# Altium PCB 190929 PCB (REV0).PcbDoc (part 2 of 2)
Units mm, origin at the board's own origin, x right, y up, seen from the top; angles counter-clockwise.
Board outline 152.5 x 105 mm, 4 copper layers (Top Copper, Signal Layer 1 (GND), Signal Layer 2 (PWR), Bottom Copper), stack 1.464 mm thick; 164 components, 136 nets, 624 pads, 357 vias.
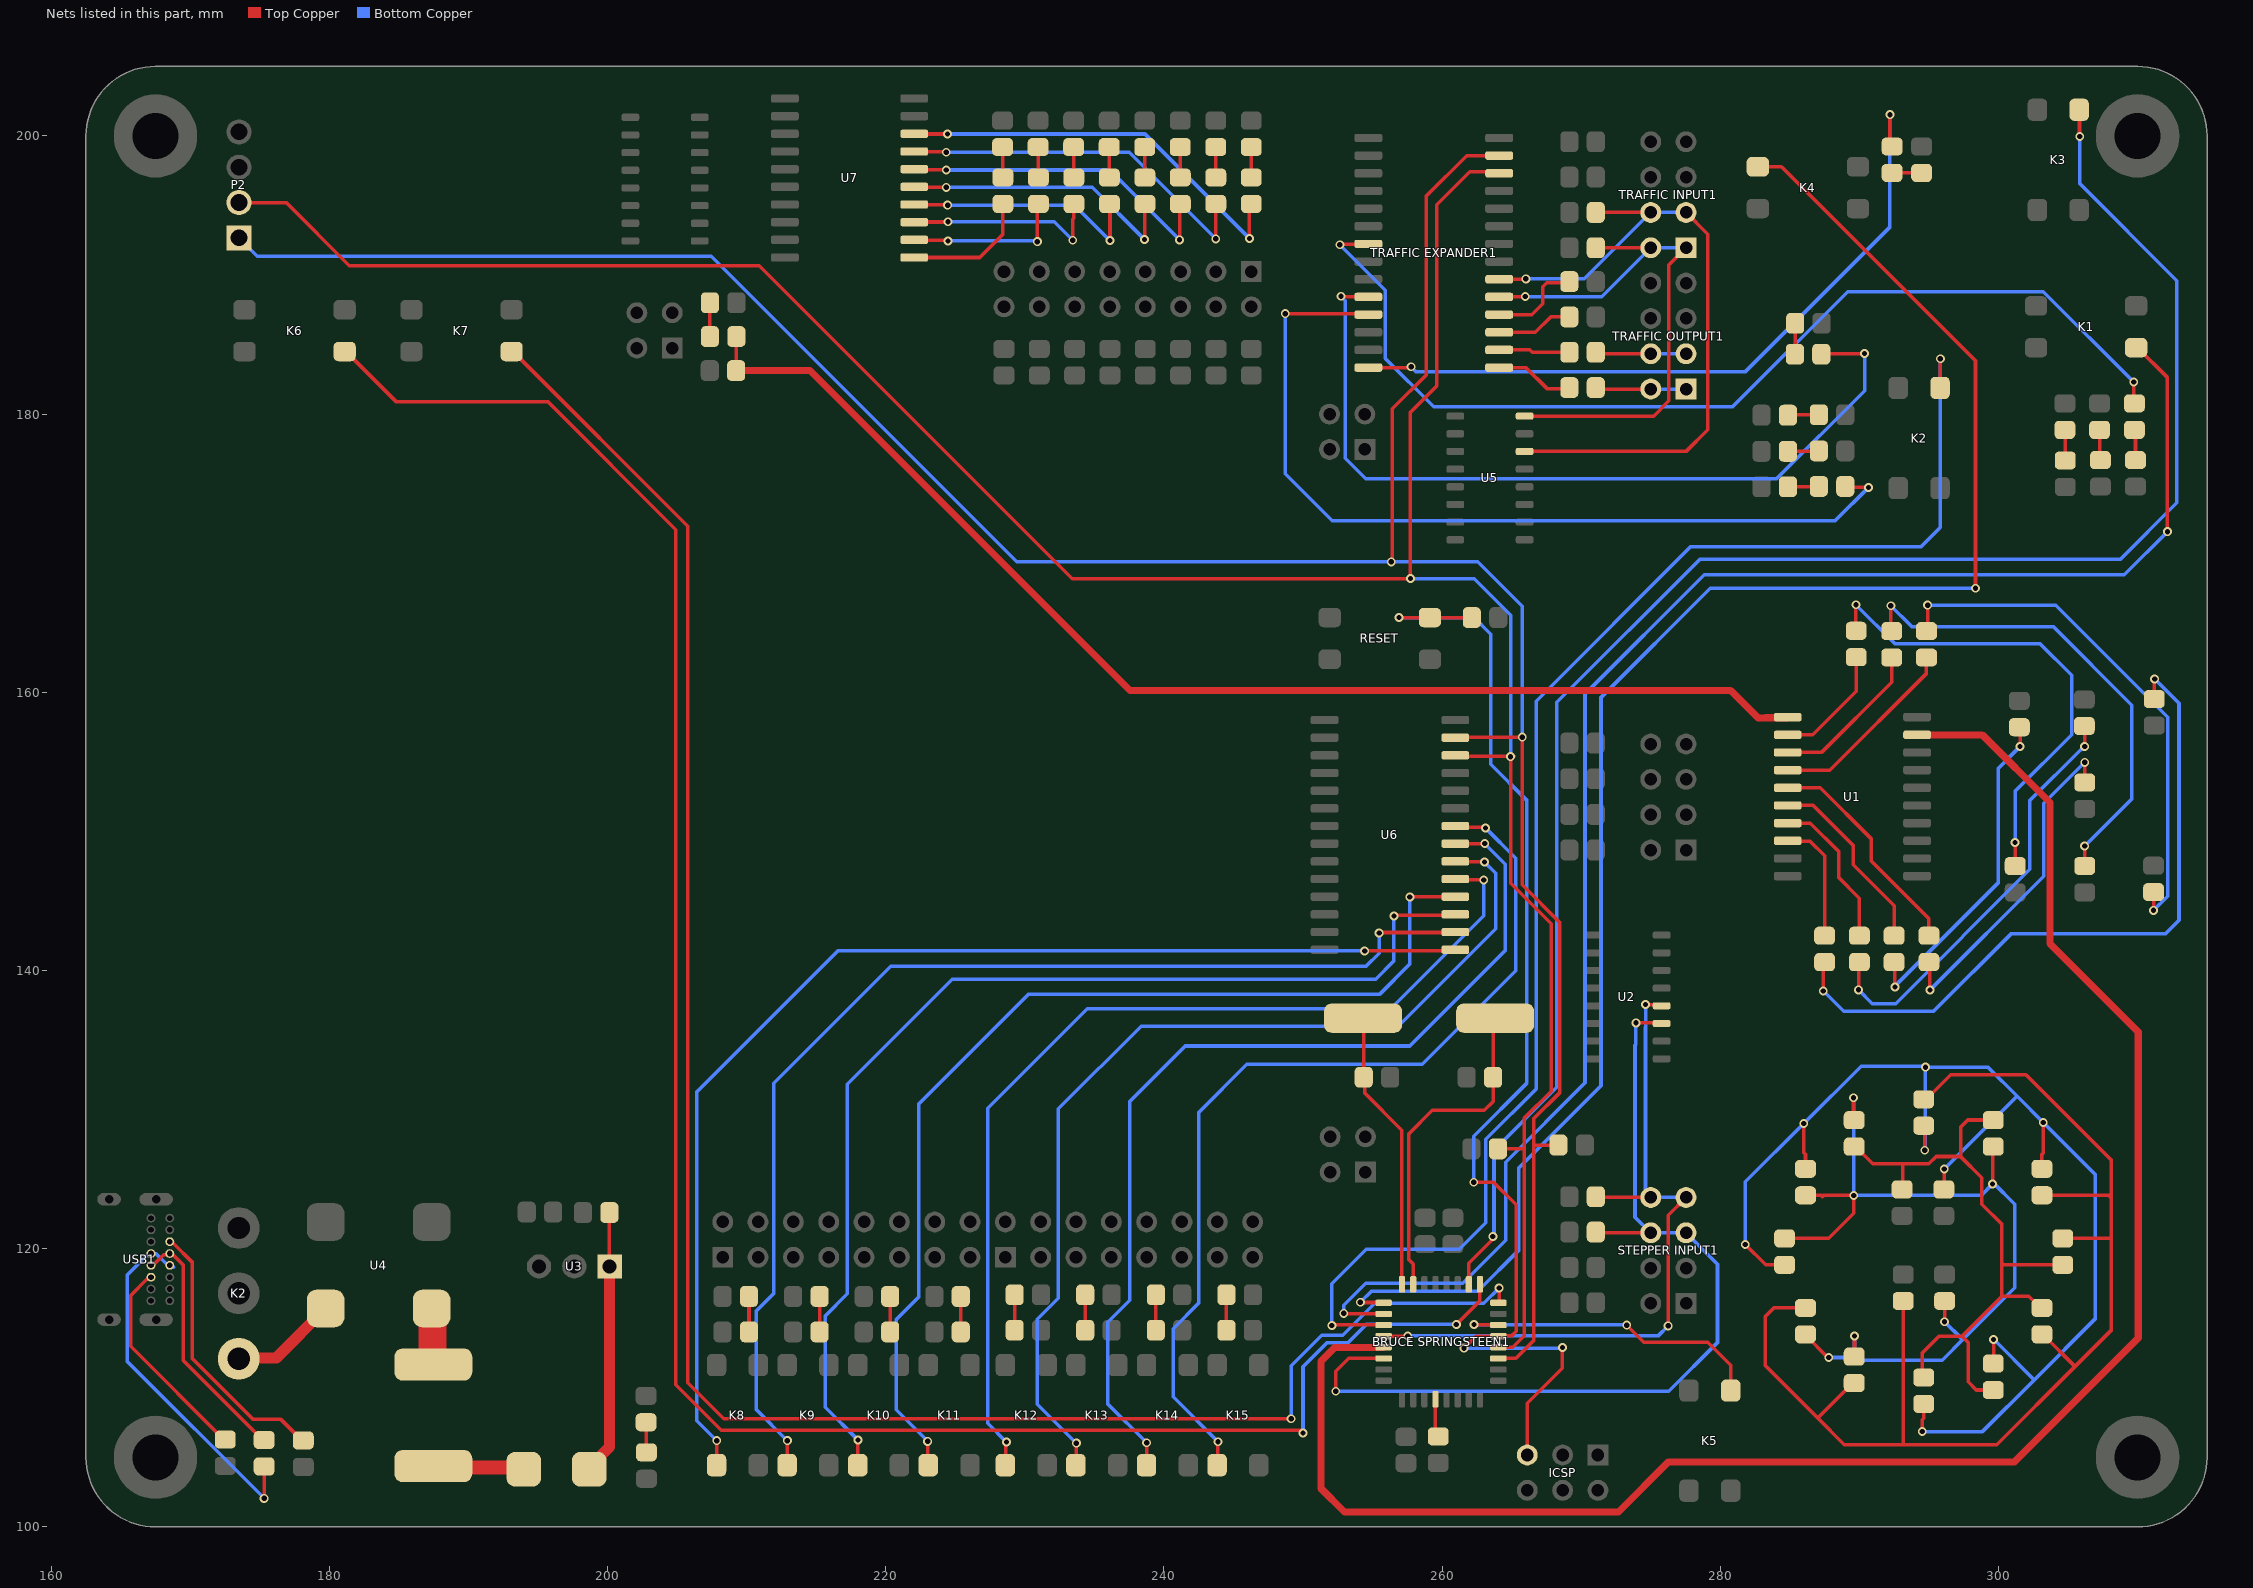
[diagram p4: the nets of this part, all layers, seen from the top]

## Via types
v1: diameter 0.635, hole 0.381, Top Copper to Bottom Copper, 357 vias

## Nets (pads, with @x,y where several pads share a name; then routed paths per layer and width w, separated by ;. In a path a pad name is that pad's centre, name@x,y a point inside that pad or via, vN(x,y) a via of type N, cw(c..) or ccw(c..) an arc to the next point about the centre after c; other vN are vias at no path point) (continued)
NetACTIVE1_K: ACTIVE.K R21.2 | length 2.2
  Top Copper w0.254: ACTIVE.K@202.768,107.519 202.768,105.384 R21.2@202.794,105.357
"NetBRUCE SPRINGSTEEN1_1": "BRUCE SPRINGSTEEN1.1" K6.2 | length 157.7
  Top Copper w0.254: K6.2@181.1,184.5 181.2,184.5 184.825,180.875 195.725,180.875 204.902,171.698 204.902,110.211 208.166,106.947 249.803,106.947 v1(250,106.75) ; v1(261.025,114.55) 262.723,116.248 262.723,117.434
  Bottom Copper w0.254: v1(250,106.75) 250,111.5 251.75,113.25 253.25,113.25 254.55,114.55 v1(261.025,114.55)
"NetBRUCE SPRINGSTEEN1_2": "BRUCE SPRINGSTEEN1.2" K3.2 | length 126.1
  Top Copper w0.254: 261.923,117.434 261.923,118.948 263.65,120.675 v1(263.65,120.875) ; K3.2@305.8,201.879 305.825,201.854 305.825,199.979 v1(305.85,199.954)
  Bottom Copper w0.254: v1(263.65,120.875) 263.731,120.956 263.731,127.082 268.25,131.6 268.25,159.275 278.525,169.55 308.75,169.55 312.825,173.625 312.825,189.6 305.85,196.575 v1(305.85,199.954)
"NetBRUCE SPRINGSTEEN1_9": "BRUCE SPRINGSTEEN1.9" K4.2 | length 124.8
  Top Copper w0.254: v1(254.125,116.15) 254.146,116.129 255.777,116.129 255.798,116.109 ; K4.2@282.7,197.779 284.4,197.779 298.35,183.829 v1(298.35,167.475)
  Bottom Copper w0.254: v1(254.125,116.15) 254.925,116.95 262.575,116.95 265.525,119.9 265.525,125.825 271.424,131.724 271.424,159.624 279.275,167.475 v1(298.35,167.475)
"NetBRUCE SPRINGSTEEN1_10": "BRUCE SPRINGSTEEN1.10" K1.2 | length 119.6
  Top Copper w0.254: v1(252.925,115.35) 252.946,115.329 255.777,115.329 255.798,115.309 ; K1.2@309.9,184.779 310,184.779 312.15,182.629 v1(312.15,171.55)
  Bottom Copper w0.254: v1(252.925,115.35) 252.925,115.938 254.512,117.525 261.488,117.525 264.575,120.612 264.575,126.225 270.275,131.925 270.275,159.875 278.85,168.45 309.05,168.45 v1(312.15,171.55)
"NetBRUCE SPRINGSTEEN1_11": "BRUCE SPRINGSTEEN1.11" K2.2 | length 107.1
  Top Copper w0.254: v1(252.075,114.475) 252.117,114.517 255.79,114.517 255.798,114.509 ; K2.2@295.8,181.879 295.812,181.892 295.812,183.967 v1(295.825,183.979)
  Bottom Copper w0.254: v1(252.075,114.475) 252.075,117.475 254.55,119.95 261.225,119.95 263.142,121.867 263.142,127.862 266.763,131.483 266.763,159.363 277.85,170.45 294.425,170.45 295.825,171.85 v1(295.825,183.979)
"NetBRUCE SPRINGSTEEN1_13": "BRUCE SPRINGSTEEN1.13" U1.9 | length 131.4
  Top Copper w0.508: 255.798,112.909 252.309,112.909 251.28,111.88 251.28,102.77 252.975,101.075 272.675,101.075 276.275,104.675 301.15,104.675 310.05,113.575 310.05,135.575 303.7,141.925 303.7,152.075 298.83,156.945 U1.9@294.15,156.945
"NetBRUCE SPRINGSTEEN1_20": "BRUCE SPRINGSTEEN1.20" C6.2 | length 2.8
  Top Copper w0.254: 259.523,109.184 259.523,106.702 C6.2@259.725,106.5
"NetBRUCE SPRINGSTEEN1_30": "BRUCE SPRINGSTEEN1.30" K5.2 | length 23.3
  Top Copper w0.254: v1(262.3,114.55) 262.321,114.529 264.027,114.529 264.048,114.509 ; v1(273.275,114.5) 274.5,113.275 279.1,113.275 280.75,111.625 K5.2@280.75,109.8
  Bottom Copper w0.254: v1(262.3,114.55) 262.325,114.525 273.25,114.525 v1(273.275,114.5)
"NetBRUCE SPRINGSTEEN1_32": "BRUCE SPRINGSTEEN1.32" K7.2 | length 146.2
  Top Copper w0.254: K7.2@193.1,184.5 193.2,184.5 205.765,171.935 205.765,110.363 208.356,107.772 v1(249.149,107.772) ; 264.048,116.109 264.1,116.057 v1(264.1,117.175)
  Bottom Copper w0.254: v1(249.149,107.772) 249.149,111.574 251.35,113.775 252.85,113.775 255.15,116.075 263,116.075 v1(264.1,117.175)
NetC7_2: C7.2 D8.K U3.1 | length 19.1
  Top Copper w0.254: C7.2@200.131,122.596 200.131,118.741 U3.1@200.152,118.72
  Top Copper w0.8: D8.K@198.684,104.14 198.684,104.262 200.152,105.73 U3.1@200.152,118.72
NetD1_K: D1.K R7.1 | length 34.9
  Top Copper w0.254: v1(289.751,166.294) 289.751,164.445 R7.1@289.773,164.424 ; v1(301.193,149.2) 301.193,147.521 D1.K@301.201,147.513
  Bottom Copper w0.254: v1(289.751,166.294) 292.571,163.474 303.001,163.474 305.257,161.218 305.257,156.947 301.193,152.883 v1(301.193,149.2)
NetD2_K: D2.K R8.1 | length 35.1
  Top Copper w0.254: v1(292.266,166.218) 292.266,164.459 R8.1@292.325,164.4 ; v1(306.197,148.946) 306.197,147.517 D2.K@306.201,147.513
  Bottom Copper w0.254: v1(292.266,166.218) 293.759,164.725 303.93,164.725 309.575,159.08 309.575,152.324 v1(306.197,148.946)
NetD3_K: D3.K R9.1 | length 38.1
  Top Copper w0.254: R9.1@294.825,164.4 294.908,164.483 v1(294.908,166.268) ; D3.K@311.149,145.637 D3.K@311.149,145.637 v1(311.15,144.323)
  Bottom Copper w0.254: v1(294.908,166.268) 304.107,166.268 312.175,158.2 312.175,145.348 v1(311.15,144.323)
NetD4_K: D4.K R10.1 | length 24.4
  Top Copper w0.254: R10.1@295,140.6 295.075,140.525 v1(295.075,138.6) ; D4.K@306.201,153.513 v1(306.201,154.961)
  Bottom Copper w0.254: v1(295.075,138.6) 303.25,146.775 303.25,152.01 v1(306.201,154.961)
NetD5_K: D5.K R11.1 | length 24.2
  Top Copper w0.254: R11.1@292.5,140.6 292.557,140.543 v1(292.557,138.811) ; D5.K@301.501,157.488 301.55,157.439 v1(301.55,156.1)
  Bottom Copper w0.254: v1(292.557,138.811) 292.557,138.882 299.999,146.324 299.999,154.549 v1(301.55,156.1)
NetD6_K: D6.K R12.1 | length 30.7
  Top Copper w0.254: v1(289.941,138.608) 289.941,140.541 R12.1@290,140.6 ; D6.K@306.175,157.575 306.197,157.553 v1(306.197,156.108)
  Bottom Copper w0.254: v1(289.941,138.608) 290.932,137.617 292.608,137.617 302.26,147.269 302.26,152.223 305.911,155.874 305.962,155.874 v1(306.197,156.108)
NetD7_K: D7.K R13.1 | length 50.5
  Top Copper w0.254: v1(287.401,138.532) 287.401,140.501 R13.1@287.5,140.6 ; D7.K@311.201,159.513 311.201,160.935 v1(311.226,160.96)
  Bottom Copper w0.254: v1(287.401,138.532) 288.874,137.058 295.333,137.058 300.9,142.625 311.992,142.625 312.979,143.612 312.979,159.207 v1(311.226,160.96)
NetD8_A: D8.A F1.2 | length 6.6
  Top Copper w1: F1.2@187.477,104.369 187.592,104.254 193.87,104.254 D8.A@193.984,104.14
NetD9_K: D9.K R27.2 | length 2.2
  Top Copper w0.254: D9.K@309.774,178.866 309.851,178.789 R27.2@309.851,176.692
NetD10_K: D10.K R28.2 | length 2.2
  Top Copper w0.254: D10.K@307.274,178.866 307.274,176.745 R28.2@307.326,176.692
NetD11_K: D11.K R29.2 | length 2.2
  Top Copper w0.254: D11.K@304.774,178.866 304.801,178.839 R29.2@304.801,176.667
NetD12_K: D12.K R30.2 | length 2.2
  Top Copper w0.254: D12.K@285.362,184.305 285.375,184.318 285.375,186.518 R30.2@285.387,186.53
NetD13_K: D13.K R31.2 | length 2.2
  Top Copper w0.254: R31.2@284.863,174.774 287.056,174.774 D13.K@287.087,174.805
NetD14_K: D14.K R32.2 | length 2.2
  Top Copper w0.254: R32.2@284.863,177.324 287.056,177.324 D14.K@287.087,177.355
NetD15_K: D15.K R33.2 | length 2.2
  Top Copper w0.254: R33.2@284.863,179.924 284.894,179.955 D15.K@287.087,179.955
NetD16_K: D16.K R34.2 | length 2.1
  Top Copper w0.254: D16.K@292.349,197.341 R34.2@294.474,197.341
NetD17_K: D17.K R39.2 | length 2.5
  Top Copper w0.254: R39.2@244.492,114.133 D17.K@244.492,116.683
NetD18_K: D18.K R40.2 | length 2.5
  Top Copper w0.254: R40.2@239.418,114.133 D18.K@239.418,116.683
NetD19_K: D19.K R41.2 | length 2.5
  Top Copper w0.254: R41.2@234.344,114.133 D19.K@234.344,116.683
NetD20_K: D20.K R42.2 | length 2.5
  Top Copper w0.254: R42.2@229.269,114.133 D20.K@229.269,116.683
NetD21_K: D21.K R43.2 | length 2.5
  Top Copper w0.254: R43.2@225.394,114.014 D21.K@225.394,116.564
NetD22_K: D22.K R44.2 | length 2.5
  Top Copper w0.254: R44.2@220.32,114.014 D22.K@220.32,116.564
NetD23_K: D23.K R45.2 | length 2.5
  Top Copper w0.254: R45.2@215.245,114.014 D23.K@215.245,116.564
NetD24_K: D24.K R46.2 | length 2.5
  Top Copper w0.254: R46.2@210.171,114.014 D24.K@210.171,116.564
NetD25_K: D25.K R55.1 | length 2.2
  Top Copper w0.254: D25.K@228.402,199.201 228.402,197.038 R55.1@228.427,197.013
NetD26_K: D26.K R56.1 | length 2.2
  Top Copper w0.254: D26.K@230.956,199.201 230.956,197.034 R56.1@230.978,197.013
NetD27_K: D27.K R57.1 | length 2.2
  Top Copper w0.254: D27.K@233.511,199.201 233.511,197.031 R57.1@233.529,197.013
NetD28_K: D28.K R58.1 | length 2.2
  Top Copper w0.254: D28.K@236.065,199.201 236.065,197.027 R58.1@236.08,197.013
NetD29_K: D29.K R59.1 | length 2.2
  Top Copper w0.254: D29.K@238.62,199.201 238.631,199.19 R59.1@238.631,197.013
NetD30_K: D30.K R60.1 | length 2.2
  Top Copper w0.254: D30.K@241.174,199.201 241.174,197.02 R60.1@241.181,197.013
NetD31_K: D31.K R61.1 | length 2.2
  Top Copper w0.254: D31.K@243.729,199.201 243.729,197.016 R61.1@243.732,197.013
NetD32_K: D32.K R62.1 | length 2.2
  Top Copper w0.254: R62.1@246.283,197.013 D32.K@246.283,199.201
NetD33_A: D33.A D34.K D37.K D39.A D41.K D42.A R64.1 | length 97.2
  Top Copper w0.254: v1(281.8,120.3) 283.262,118.838 D42.A@284.626,118.838 ; v1(286,129) 286,126.895 286.126,126.769 D41.K@286.126,125.738 ; v1(294.525,106.85) 294.525,107.706 294.626,107.807 D33.A@294.626,108.838 ; D39.A@294.626,128.838 294.7,128.764 v1(294.7,127.075) ; R64.1@296.074,124.262 296.1,124.288 v1(296.1,125.725) ; D34.K@299.626,111.738 299.65,111.762 v1(299.65,113.475) ; D37.K@303.126,125.738 303.126,126.769 303.225,126.868 v1(303.225,129.075)
  Bottom Copper w0.254: v1(281.8,120.3) 281.8,124.8 v1(286,129) 290.125,133.125 294.675,133.125 v1(294.75,133.05) ; v1(294.525,106.85) 298.85,106.85 302.55,110.55 ; v1(294.7,127.075) 294.725,127.1 294.725,133.025 v1(294.75,133.05) ; v1(296.1,125.725) 301.3,130.925 301.375,130.925 ; v1(299.65,113.475) 302.55,110.575 302.55,110.55 ; v1(294.75,133.05) 299.25,133.05 301.375,130.925 ; 301.375,130.925 v1(303.225,129.075) 306.975,125.325 306.975,114.975 302.55,110.55
NetD33_K: D33.K D34.A D35.K D36.A D38.K D40.A R63.1 | length 48.6
  Top Copper w0.254: D40.A@289.626,127.338 289.726,127.338 290.964,126.1 293.12,126.1 ; R63.1@293.074,124.262 293.12,124.308 293.12,126.1 ; D33.K@294.626,110.738 294.526,110.738 294.526,112.498 295.728,113.7 297.375,113.7 ; D34.A@299.626,109.838 298.412,109.838 297.825,110.425 297.825,113.25 297.375,113.7 ; D38.K@299.626,129.238 299.614,129.25 297.8,129.25 297.275,128.725 297.275,126.625 ; D35.K@303.126,115.738 303.026,115.738 302.189,116.575 300.25,116.575 ; D36.A@304.626,118.838 300.362,118.838 300.25,118.95 ; 293.12,126.1 295,126.1 295.525,126.625 297.275,126.625 ; 297.275,126.625 298.8,125.1 298.8,123.2 300.25,121.75 300.25,118.95 ; 297.375,113.7 300.25,116.575 ; 300.25,116.575 300.25,118.95
NetD35_A: D35.A D36.K D37.A D39.K D43.K D44.A R65.1 | length 92.2
  Top Copper w0.254: D43.K@286.126,115.738 283.838,115.738 283.25,115.15 283.25,111.575 287,107.825 ; D44.A@289.626,110.338 289.513,110.338 287,107.825 ; R65.1@293.152,116.238 293.152,105.902 293.15,105.9 ; D39.K@294.626,130.738 294.813,130.738 296.575,132.5 301.975,132.5 308.125,126.35 308.125,123.625 ; D35.A@303.126,113.838 303.187,113.838 305.5,111.525 ; D37.A@303.126,123.838 307.912,123.838 308.125,123.625 ; D36.K@304.626,120.738 308.112,120.738 308.125,120.725 ; 287,107.825 288.925,105.9 293.15,105.9 ; 293.15,105.9 299.875,105.9 305.5,111.525 ; 305.5,111.525 308.125,114.15 308.125,120.725 ; 308.125,120.725 308.125,123.625
NetD38_A: D38.A D40.K D41.A D42.K D43.A D44.K R66.1 | length 65.2
  Top Copper w0.254: D42.K@284.626,120.738 287.788,120.738 289.6,122.55 v1(289.6,123.825) 287.42,123.825 287.345,123.75 287.257,123.838 D41.A@286.126,123.838 ; D43.A@286.126,113.838 286.1,113.812 287.737,112.175 v1(287.8,112.175) ; v1(289.575,130.85) 289.575,129.289 D40.K@289.626,129.238 ; D44.K@289.626,112.238 289.65,112.262 v1(289.65,113.725) ; v1(296.125,114.75) R66.1@296.126,116.238 R66.1@296.126,116.238 ; v1(299.575,124.65) 299.575,127.287 D38.A@299.626,127.338
  Bottom Copper w0.254: v1(287.8,112.175) 289.425,112.175 289.625,111.975 ; v1(289.575,130.85) 289.6,130.825 v1(289.6,123.825) 298.75,123.825 v1(299.575,124.65) 299.645,124.72 301.175,123.19 301.175,117.2 297.512,113.537 ; v1(289.65,113.725) 289.65,112 289.625,111.975 ; v1(296.125,114.75) 297.338,113.537 297.512,113.537 ; 289.625,111.975 295.95,111.975 297.512,113.537
NetD45_A: D45.A R67.1 U1.11 | length 88.4
  Top Copper w0.254: R67.1@209.262,183.137 D45.A@209.262,185.576
  Top Copper w0.508: R67.1@209.262,183.137 209.274,183.125 214.55,183.125 237.55,160.125 280.75,160.125 282.725,158.15 283.233,158.15 283.252,158.169 284.804,158.169 U1.11@284.85,158.215
NetD45_K: D45.K R68.2 | length 2.4
  Top Copper w0.254: D45.K@207.362,185.576 R68.2@207.362,188.006
NetF1_1: F1.1 U4.2 | length 4.1
  Top Copper w2: U4.2@187.35,115.697 187.414,115.633 187.414,111.732 F1.1@187.477,111.669
NetK2_NO: K2.NO U4.1 | length 7.7
  Top Copper w0.8: K2.NO@173.482,112.088 173.542,112.149 176.182,112.149 U4.1@179.73,115.697
NetR7_2: R7.2 U1.12 | length 8.7
  Top Copper w0.254: U1.12@284.85,156.945 286.645,156.945 289.773,160.073 R7.2@289.773,162.524
NetR8_2: R8.2 U1.13 | length 11.3
  Top Copper w0.254: U1.13@284.85,155.675 287.275,155.675 292.325,160.725 R8.2@292.325,162.5
NetR9_2: R9.2 U1.14 | length 14
  Top Copper w0.254: U1.14@284.85,154.405 287.88,154.405 294.825,161.35 R9.2@294.825,162.5
NetR10_2: R10.2 U1.15 | length 16.2
  Top Copper w0.254: U1.15@284.85,153.135 287.19,153.135 290.841,149.484 290.841,147.894 295,143.734 R10.2@295,142.5
NetR11_2: R11.2 U1.16 | length 13.6
  Top Copper w0.254: U1.16@284.85,151.865 286.685,151.865 289.56,148.99 289.56,147.59 292.5,144.65 R11.2@292.5,142.5
NetR12_2: R12.2 U1.17 | length 11.2
  Top Copper w0.254: U1.17@284.85,150.595 286.48,150.595 288.519,148.556 288.519,146.681 290,145.2 R12.2@290,142.5
NetR13_2: R13.2 U1.18 | length 8.8
  Top Copper w0.254: U1.18@284.85,149.325 284.875,149.3 286.45,149.3 287.5,148.25 R13.2@287.5,142.5
NetR19_1: R19.1 USB1.A6 USB1.B6 | length 18.1
  Top Copper w0.254: USB1.B6@167.175,118.8 167.282,118.8 167.426,118.944 167.468,118.944 168.098,119.574 168.449,119.574 USB1.A6@168.525,119.65 168.632,119.65 168.776,119.506 168.817,119.506 169.494,118.829 169.494,111.961 175.21,106.245 R19.1@175.31,106.245
NetR19_2: R19.2 USB1.A7 USB1.B7 | length 26.6
  Top Copper w0.254: v1(175.311,102.049) R19.2@175.311,104.344
  Bottom Copper w0.254: USB1.A7@168.632,118.8 USB1.A7@168.525,118.8 168.418,118.8 168.274,118.944 168.232,118.944 167.526,119.65 USB1.B7@167.175,119.65 167.068,119.65 166.924,119.506 166.883,119.506 165.456,118.079 165.456,111.904 v1(175.311,102.049) ; USB1.A7@168.776,118.656 168.817,118.656
NetR20_1: R20.1 USB1.A5 | length 19.6
  Top Copper w0.254: USB1.A5@168.525,120.5 168.632,120.5 168.776,120.356 168.817,120.356 170.129,119.044 170.129,112.116 174.523,107.721 176.519,107.721 178.029,106.212 R20.1@178.129,106.212
NetR22_1: R22.1 USB1.B5 | length 15.2
  Top Copper w0.254: USB1.B5@167.175,117.95 167.068,117.95 166.924,117.806 166.883,117.806 165.71,116.633 165.71,112.985 172.416,106.278 R22.1@172.516,106.278
NetR23_1: "TRAFFIC EXPANDER1.1" R23.1 | length 5.7
  Top Copper w0.254: 264.1,183.345 266.032,183.345 267.538,181.839 269.082,181.839 R23.1@269.149,181.906
NetR24_1: "TRAFFIC EXPANDER1.2" R24.1 | length 5.1
  Top Copper w0.254: 264.1,184.615 266.311,184.615 266.48,184.446 R24.1@269.149,184.446
NetR25_1: "TRAFFIC EXPANDER1.3" R25.1 | length 5.5
  Top Copper w0.254: 264.1,185.885 266.71,185.885 267.811,186.986 R25.1@269.149,186.986 R25.1@269.131,187.005
NetR26_1: "TRAFFIC EXPANDER1.4" R26.1 | length 6.7
  Top Copper w0.254: 264.1,187.155 266.455,187.155 267.225,187.925 267.225,189.145 267.534,189.455 269.078,189.455 R26.1@269.149,189.526
NetR55_2: R55.2 U7.11 | length 9.3
  Top Copper w0.254: U7.11@222.05,191.26 226.76,191.26 228.427,192.927 R55.2@228.427,195.113
NetR56_2: R56.2 U7.12 | length 11.6
  Top Copper w0.254: U7.12@222.05,192.53 222.09,192.49 224.435,192.49 v1(224.475,192.45) ; v1(230.9,192.4) 230.9,195.035 R56.2@230.978,195.113
  Bottom Copper w0.254: v1(224.475,192.45) 230.85,192.45 v1(230.9,192.4)
NetR57_2: R57.2 U7.13 | length 14.6
  Top Copper w0.254: U7.13@222.05,193.8 222.062,193.813 224.463,193.813 v1(224.475,193.825) ; v1(233.45,192.5) 233.45,194.003 233.529,194.082 R57.2@233.529,195.113
  Bottom Copper w0.254: v1(224.475,193.825) 232.125,193.825 v1(233.45,192.5)
NetR58_2: R58.2 U7.14 | length 17.8
  Top Copper w0.254: U7.14@222.05,195.07 222.073,195.047 224.428,195.047 v1(224.45,195.025) ; R58.2@236.08,195.113 236.125,195.067 v1(236.125,192.475)
  Bottom Copper w0.254: v1(224.45,195.025) 233.575,195.025 v1(236.125,192.475)
NetR59_2: R59.2 U7.15 | length 20.7
  Top Copper w0.254: U7.15@222.05,196.34 222.07,196.32 224.33,196.32 v1(224.35,196.3) ; v1(238.6,192.55) 238.631,192.581 R59.2@238.631,195.113
  Bottom Copper w0.254: v1(224.35,196.3) 234.85,196.3 v1(238.6,192.55)
NetR60_2: R60.2 U7.16 | length 23.8
  Top Copper w0.254: U7.16@222.05,197.61 222.08,197.58 224.32,197.58 v1(224.35,197.55) ; v1(241.125,192.525) 241.125,195.056 R60.2@241.181,195.113
  Bottom Copper w0.254: v1(224.35,197.55) 236.1,197.55 v1(241.125,192.525)
NetR61_2: R61.2 U7.17 | length 26.8
  Top Copper w0.254: U7.17@222.05,198.88 222.078,198.853 224.323,198.853 v1(224.35,198.825) ; v1(243.725,192.6) 243.725,195.106 R61.2@243.732,195.113
  Bottom Copper w0.254: v1(224.35,198.825) 237.5,198.825 v1(243.725,192.6)
NetR62_2: R62.2 U7.18 | length 29.8
  Top Copper w0.254: U7.18@222.05,200.15 222.063,200.137 v1(224.437,200.137) ; v1(246.15,192.625) 246.15,194.98 R62.2@246.283,195.113
  Bottom Copper w0.254: v1(224.437,200.137) 238.638,200.137 v1(246.15,192.625)
"NorthLight1 IN": "TRAFFIC EXPANDER1.5" "TRAFFIC INPUT1.1" "TRAFFIC INPUT1.2" R35.2 U5.16 | length 41.2
  Top Copper w0.254: 264.1,188.425 264.112,188.437 265.963,188.437 v1(265.975,188.45) ; U5.16@265.93,179.855 275.207,179.855 276.3,180.948 276.3,190.72 277.54,191.96 ; R35.2@271.049,191.96 275,191.96
  Bottom Copper w0.254: v1(265.975,188.45) 271.49,188.45 275,191.96 277.54,191.96
"NorthLight2 IN": "TRAFFIC EXPANDER1.6" "TRAFFIC INPUT1.3" "TRAFFIC INPUT1.4" R36.2 U5.14 | length 49.5
  Top Copper w0.254: 264.1,189.695 264.115,189.71 266.01,189.71 v1(266.025,189.725) ; U5.14@265.93,177.315 277.54,177.315 279.1,178.875 279.1,192.94 277.54,194.5 ; R36.2@271.049,194.5 275,194.5
  Bottom Copper w0.254: v1(266.025,189.725) 270.225,189.725 275,194.5 277.54,194.5
"PED EW": "TRAFFIC EXPANDER1.28" D16.A | length 52.4
  Top Copper w0.254: 254.7,183.345 257.72,183.345 v1(257.775,183.4) ; v1(292.2,201.529) 292.2,199.39 D16.A@292.349,199.241
  Bottom Copper w0.254: v1(257.775,183.4) 258.143,183.032 281.782,183.032 292.2,193.45 v1(292.2,201.529)
"Ped EW (OUT)": "TRAFFIC OUTPUT1.3" "TRAFFIC OUTPUT1.4" R24.2 | length 6.5
  Top Copper w0.254: R24.2@271.049,184.446 271.156,184.34 275,184.34
  Bottom Copper w0.254: 275,184.34 277.54,184.34
"PED NS": "TRAFFIC EXPANDER1.24" D12.A | length 60.2
  Top Copper w0.254: v1(252.725,188.475) 252.75,188.45 254.675,188.45 254.7,188.425 ; D12.A@287.262,184.305 287.338,184.229 287.463,184.354 v1(290.375,184.354)
  Bottom Copper w0.254: v1(252.725,188.475) 253.041,188.159 253.041,176.83 254.523,175.349 284.044,175.349 290.375,181.679 v1(290.375,184.354)
"Ped NS (OUT)": "TRAFFIC OUTPUT1.1" "TRAFFIC OUTPUT1.2" R23.2 | length 6.5
  Top Copper w0.254: R23.2@271.049,181.906 271.156,181.8 275,181.8
  Bottom Copper w0.254: 275,181.8 277.54,181.8
"RED EW": "TRAFFIC EXPANDER1.25" D13.A | length 63.5
  Top Copper w0.254: v1(248.725,187.225) 254.625,187.225 254.697,187.152 254.7,187.155 ; D13.A@288.987,174.805 289.066,174.727 v1(290.652,174.727)
  Bottom Copper w0.254: v1(248.725,187.225) 248.725,175.7 252.1,172.325 288.251,172.325 v1(290.652,174.727)
"RED NS": "TRAFFIC EXPANDER1.21" D9.A | length 74.5
  Top Copper w0.254: v1(252.65,192.175) 252.68,192.205 254.67,192.205 254.7,192.235 ; v1(309.725,182.304) 309.725,180.815 D9.A@309.774,180.766
  Bottom Copper w0.254: v1(252.65,192.175) 255.925,188.9 255.925,184 259.395,180.53 280.879,180.53 289.154,188.804 303.225,188.804 v1(309.725,182.304)
RESET: "BRUCE SPRINGSTEEN1.29" ICSP.5 R18.1 RESET.4 | length 87.3
  Top Copper w0.254: v1(256.9,165.375) RESET.4@259.125,165.375 262.137,165.375 R18.1@262.138,165.374 ; v1(261.575,112.85) 262.434,113.709 264.048,113.709 264.093,113.754 265.029,113.754 265.325,114.05 265.325,123.15 263.7,124.775 v1(262.275,124.775) ; ICSP.5@266.135,105.165 266.135,108.885 268.65,111.4 v1(268.65,112.9)
  Bottom Copper w0.254: v1(256.9,165.375) 262.3,165.375 263.5,164.175 263.5,154.825 266.1,152.225 266.1,131.912 262.275,128.087 v1(262.275,124.775) ; v1(261.575,112.85) 268.6,112.85 v1(268.65,112.9)
SCL: "BRUCE SPRINGSTEEN1.28" "TRAFFIC EXPANDER1.12" P2.2 R1.2 U6.12 | length 199.1
  Top Copper w0.254: P2.2@173.5,195.21 176.89,195.21 181.425,190.675 210.913,190.675 233.413,168.175 v1(257.725,168.175) 257.725,180.125 259.625,182.025 259.625,195.05 262,197.425 263.99,197.425 264.1,197.315 ; U6.12@260.95,155.465 261.007,155.407 v1@264.925,155.407 ; R1.2@264.013,127.174 265.893,127.174 265.919,127.2 ; 264.048,112.909 265.084,112.909 265.919,113.744 265.919,127.2 ; v1@265.192,155.407 265.16,155.375 v1(264.925,155.375) 264.925,146.275 267.85,143.35 267.85,131.325 265.919,129.394 265.919,127.2
  Bottom Copper w0.254: v1(257.725,168.175) 262.3,168.175 264.925,165.55 v1(264.925,155.375)
SDA: "BRUCE SPRINGSTEEN1.27" "TRAFFIC EXPANDER1.13" P2.1 R2.2 U6.13 | length 201.4
  Top Copper w0.254: v1(256.35,169.375) 256.425,169.45 256.425,180.375 258.875,182.825 258.875,195.7 261.76,198.585 264.1,198.585 ; U6.13@260.95,156.735 260.97,156.755 265.738,156.755 v1(265.758,156.775) 265.758,146.16 268.475,143.443 268.475,131.232 266.575,129.332 266.575,127.45 ; 264.048,112.109 265.309,112.109 266.575,113.375 266.575,127.45 ; R2.2@268.362,127.451 266.576,127.451 266.575,127.45
  Bottom Copper w0.254: P2.1@173.5,192.67 174.82,191.35 207.45,191.35 229.425,169.375 v1(256.35,169.375) 262.575,169.375 265.758,166.192 v1(265.758,156.775)
"Stepper A (IN)": "BRUCE SPRINGSTEEN1.12" "STEPPER INPUT1.7" "STEPPER INPUT1.8" R14.2 U2.12 | length 52.3
  Top Copper w0.254: 255.798,113.709 255.806,113.717 257.517,113.717 v1(257.525,113.725) ; R14.2@271.049,123.734 271.103,123.68 275,123.68 ; v1(274.625,137.55) 275.69,137.55 U2.12@275.78,137.46 ; v1(276.25,114.45) 276.25,122.39 277.54,123.68
  Bottom Copper w0.254: v1(257.525,113.725) 275.525,113.725 v1(276.25,114.45) ; v1(274.625,137.55) 274.636,137.539 274.636,135.943 274.625,135.932 274.625,124.055 275,123.68 277.54,123.68
"Stepper B (IN)": "BRUCE SPRINGSTEEN1.14" "STEPPER INPUT1.5" "STEPPER INPUT1.6" R15.2 U2.11 | length 67
  Top Copper w0.254: v1(252.348,109.752) 252.348,111.186 253.279,112.117 255.79,112.117 255.798,112.109 ; R15.2@271.049,121.194 271.103,121.14 275,121.14 ; v1(273.938,136.233) 275.737,136.233 U2.11@275.78,136.19
  Bottom Copper w0.254: v1(252.348,109.752) 276.301,109.752 279.8,113.25 279.8,118.88 277.54,121.14 275,121.14 273.869,122.271 273.869,134.626 273.938,134.695 v1(273.938,136.233)
"Switch 1": K8.2 U6.1 | length 86.2
  Top Copper w0.254: K8.2@207.837,104.433 207.843,104.439 207.843,106.192 v1(207.848,106.197) ; v1(254.432,141.402) 260.857,141.402 U6.1@260.95,141.495
  Bottom Copper w0.254: v1(207.848,106.197) 206.426,107.62 206.426,131.267 216.56,141.402 v1(254.432,141.402)
"Switch 2": K9.2 U6.2 | length 83.3
  Top Copper w0.254: K9.2@212.911,104.433 212.92,104.441 212.92,106.189 v1(212.928,106.197) ; v1(255.473,142.697) 255.507,142.731 260.916,142.731 U6.2@260.95,142.765
  Bottom Copper w0.254: v1(212.928,106.197) 210.693,108.433 210.693,115.519 211.951,116.777 211.951,131.89 220.37,140.31 254.533,140.31 255.473,141.249 v1(255.473,142.697)
"Switch 3": K10.2 U6.3 | length 79.7
  Top Copper w0.254: K10.2@217.986,104.433 217.997,104.444 217.997,106.237 v1(218.008,106.248) ; v1(256.54,143.916) 256.599,143.976 260.891,143.976 U6.3@260.95,144.035
  Bottom Copper w0.254: v1(218.008,106.248) 215.646,108.61 215.646,115.164 217.245,116.763 217.245,131.832 224.783,139.37 255.219,139.37 256.54,140.691 v1(256.54,143.916)
"Switch 4": K11.2 U6.4 | length 75.2
  Top Copper w0.254: v1(223.012,106.147) 223.036,106.123 223.036,104.457 K11.2@223.06,104.433 ; v1(257.683,145.288) 257.692,145.297 260.941,145.297 U6.4@260.95,145.305
  Bottom Copper w0.254: v1(223.012,106.147) 220.751,108.407 220.751,114.91 222.389,116.547 222.389,130.416 230.251,138.278 255.499,138.278 257.683,140.462 v1(257.683,145.288)
"Switch 5": K12.2 U6.5 | length 72.3
  Top Copper w0.254: K12.2@228.6,104.433 228.638,104.471 228.638,106.058 v1(228.676,106.096) ; U6.5@260.95,146.575 261.018,146.507 v1(262.992,146.507)
  Bottom Copper w0.254: v1(228.676,106.096) 227.33,107.442 227.33,130.099 234.481,137.25 256.3,137.25 262.992,143.942 v1(262.992,146.507)
"Switch 6": K13.2 U6.6 | length 71.5
  Top Copper w0.254: K13.2@233.674,104.433 233.69,104.449 233.69,106.004 v1(233.705,106.02) ; U6.6@260.95,147.845 260.992,147.803 v1(263.042,147.803)
  Bottom Copper w0.254: v1(233.705,106.02) 230.9,108.825 230.9,114.933 232.41,116.443 232.41,130.048 238.362,136 256.853,136 263.85,142.997 263.85,146.995 v1(263.042,147.803)
"Switch 7": K14.2 U6.7 | length 69.9
  Top Copper w0.254: K14.2@238.749,104.433 238.754,104.439 238.754,106.039 v1(238.76,106.045) ; U6.7@260.95,149.115 263.059,149.115 v1(263.068,149.123)
  Bottom Copper w0.254: v1(238.76,106.045) 235.974,108.831 235.974,114.715 237.541,116.281 237.541,130.581 241.529,134.569 257.683,134.569 264.55,141.436 264.55,147.641 v1(263.068,149.123)
"Switch 8": K15.2 U6.8 | length 67.9
  Top Copper w0.254: K15.2@243.823,104.433 243.857,104.467 243.857,106.087 v1(243.891,106.121) ; U6.8@260.95,150.385 261.022,150.313 263.047,150.313 v1(263.119,150.241)
  Bottom Copper w0.254: v1(243.891,106.121) 240.668,109.344 240.668,114.252 242.519,116.103 242.519,129.819 245.95,133.25 258.574,133.25 265.3,139.976 265.3,148.06 v1(263.119,150.241)
XTAL1: "BRUCE SPRINGSTEEN1.7" C4.2 X1.2 | length 24
  Top Copper w0.254: 257.923,117.434 257.923,118.896 257.616,119.203 257.616,128.266 259.3,129.95 263.035,129.95 263.668,130.582 C4.2@263.668,132.32 263.668,136.423 X1.2@263.817,136.572
XTAL2: "BRUCE SPRINGSTEEN1.8" C5.2 X1.1 | length 20.3
  Top Copper w0.254: X1.1@254.317,136.572 254.367,136.523 C5.2@254.367,132.323 254.433,132.256 254.433,131.192 257.108,128.517 257.108,117.449 257.123,117.434
pads on no net: "BRUCE SPRINGSTEEN1.19" "BRUCE SPRINGSTEEN1.22" "BRUCE SPRINGSTEEN1.26" "BRUCE SPRINGSTEEN1.31" "TRAFFIC EXPANDER1.11" "TRAFFIC EXPANDER1.14" "TRAFFIC EXPANDER1.19" "TRAFFIC EXPANDER1.20" K1.1 K1.3 K2.1 K2.3 K2.NC K3.1 K3.3 K4.1 K4.3 K5.1 K5.3 K6.1 K6.3 K7.1 K7.3 K8.1 K8.3 K9.1 K9.3 K10.1 K10.3 K11.1 K11.3 K12.1 K12.3 K13.1 K13.3 K14.1 K14.3 K15.1 K15.3 RESET.1 RESET.3 U5.2 U5.4 U5.6 U5.8 U5.9 U5.11 U5.13 U5.15 U6.11 U6.14 U6.19 U6.20 USB1.A8 USB1.B8 USB1.P2 USB1.P3 USB1.P4

## Polygon pours and split planes (outlines as drawn)
0V on Signal Layer 1 (GND) "Signal Layer 1 (GND)-0V" (solid, remove dead copper, pour order 10): 162.5,205 162.5,124.5 183.75,124.5 183.75,100 315,100 315,205
GND on Signal Layer 1 (GND) "Signal Layer 1 (GND)-GND" (solid, remove dead copper, pour order 24): 162.5,124.5 183.75,124.5 183.75,100.333 183.667,100.25 162.5,100.25
0V on Signal Layer 1 (GND) "Signal Layer 1 (GND)-0V 1" (solid, remove dead copper, pour order 8): 162.5,205
0V on Signal Layer 1 (GND) "Signal Layer 1 (GND)-0V 2" (solid, remove dead copper, pour order 6): 162.5,100
0V on Signal Layer 1 (GND) "Signal Layer 1 (GND)-0V 3" (solid, remove dead copper, pour order 4): 159.925,205
3.3V on Signal Layer 2 (PWR) "Signal Layer 2 (PWR)-3.3V" (solid, remove dead copper, pour order 12): 162.5,205 162.5,124.5 183.75,124.5 183.75,100 315,100 315,205
5V on Signal Layer 2 (PWR) "Signal Layer 2 (PWR)-5V" (solid, remove dead copper, pour order 26): 162.5,124.5 183.75,124.5 183.75,100 162.75,100 162.5,100.25
0V on Bottom Copper "Bottom Copper-0V" (solid, remove dead copper, pour order 14): 162.5,205 162.5,124.5 183.75,124.5 183.75,100 315,100 315,205.254
GND on Bottom Copper "Bottom Copper-GND" (solid, remove dead copper, pour order 22): 162.5,124.5 183.75,124.5 183.75,100.333 162.583,100.333 162.5,100.25
0V on Top Copper "Top Copper-0V" (solid, remove dead copper, pour order 16): 162.5,205 162.5,124.5 183.75,124.5 183.75,100 315,100 315,205.25
GND on Top Copper "Top Copper-GND" (solid, remove dead copper, pour order 18): 162.5,124.5 183.75,124.5 183.75,100 162.5,100

## Keep-outs
Keep-Out Layer:
  the board outline again, w0.254

## Other copper
Top Copper:
  region: 272.95,139.13
  region: 263.85,177.215
  region: 263.8,177.425
  region: 857 vertices and 11 holes, not listed, extent 180.25,147.006 191.147,157.852
  region: 183.374,152.441 183.45,152.441 183.45,152.416 183.501,152.416 183.501,152.391 183.577,152.391 183.577,152.365 183.603,152.365 183.603,152.34 183.628,152.34 183.628,152.314 183.679,152.314 183.679,152.289 183.704,152.289 183.704,152.264 183.704,152.238 183.73,152.238 183.73,152.213 183.755,152.213 183.755,152.187 183.781,152.187 183.781,152.162 183.781,152.137 183.781,152.111 183.806,152.111 183.806,152.086 183.806,152.06 183.806,152.035 183.806,152.01 183.831,152.01 183.831,151.984 183.831,151.959 183.831,151.933 183.831,151.908 183.831,151.883 183.831,151.857 183.831,151.832 183.831,151.806 183.831,151.781 183.831,151.756 183.806,151.756 183.806,151.73 183.806,151.705 183.806,151.679 183.781,151.679 183.781,151.654 183.781,151.629 183.755,151.629 183.755,151.603 183.755,151.578 183.73,151.578 183.73,151.552 183.704,151.552 183.704,151.527 183.679,151.527 183.679,151.502 183.654,151.502 183.654,151.476 183.628,151.476 183.628,151.451 183.603,151.451 183.603,151.425 183.552,151.425 183.552,151.4 183.501,151.4 183.501,151.375 183.425,151.375 183.425,151.349 183.374,151.349 183.374,151.324 183.247,151.324 183.247,151.298 182.993,151.298 182.993,151.324 182.917,151.324 182.917,151.349 182.892,151.349 182.892,151.375 182.892,151.4 182.892,151.425 182.892,151.451 182.892,151.476 182.892,151.502 182.892,151.527 182.892,151.552 182.892,151.578 182.892,151.603 182.892,151.629 182.892,151.654 182.892,151.679 182.892,151.705 182.892,151.73 182.892,151.756 182.892,151.781 182.892,151.806 182.892,151.832 182.892,151.857 182.892,151.883 182.892,151.908 182.892,151.933 182.892,151.959 182.892,151.984 182.892,152.01 182.892,152.035 182.892,152.06 182.892,152.086 182.892,152.111 182.892,152.137 182.892,152.162 182.892,152.187 182.892,152.213 182.892,152.238 182.892,152.264 182.892,152.289 182.892,152.314 182.892,152.34 182.892,152.365 182.892,152.391 182.892,152.416 182.892,152.441 182.917,152.441 182.917,152.467 183.374,152.467
  region: 187.819,153.61 187.946,153.61 187.946,153.584 188.048,153.584 188.048,153.559 188.099,153.559 188.099,153.534 188.124,153.534 188.124,153.508 188.149,153.508 188.149,153.483 188.175,153.483 188.175,153.457 188.2,153.457 188.2,153.432 188.226,153.432 188.226,153.407 188.226,153.381 188.251,153.381 188.251,153.356 188.251,153.33 188.276,153.33 188.276,153.305 188.276,153.28 188.276,153.254 188.276,153.229 188.302,153.229 188.302,153.203 188.302,153.178 188.302,153.153 188.302,153.127 188.302,153.102 188.302,153.076 188.302,153.051 188.276,153.051 188.276,153.026 188.276,153 188.276,152.975 188.251,152.975 188.251,152.949 188.251,152.924 188.226,152.924 188.226,152.899 188.226,152.873 188.2,152.873 188.2,152.848 188.175,152.848 188.175,152.822 188.149,152.822 188.149,152.797 188.124,152.797 188.124,152.772 188.073,152.772 188.073,152.746 188.022,152.746 188.022,152.721 187.972,152.721 187.972,152.695 187.895,152.695 187.895,152.67 187.514,152.67 187.514,152.695 187.514,152.721 187.514,152.746 187.514,152.772 187.514,152.797 187.514,152.822 187.514,152.848 187.514,152.873 187.514,152.899 187.514,152.924 187.514,152.949 187.514,152.975 187.514,153 187.514,153.026 187.514,153.051 187.514,153.076 187.514,153.102 187.514,153.127 187.514,153.153 187.514,153.178 187.514,153.203 187.514,153.229 187.514,153.254 187.514,153.28 187.514,153.305 187.514,153.33 187.514,153.356 187.514,153.381 187.514,153.407 187.514,153.432 187.514,153.457 187.514,153.483 187.514,153.508 187.514,153.534 187.514,153.559 187.514,153.584 187.591,153.584 187.591,153.61 187.692,153.61 187.692,153.635 187.819,153.635
  region: 183.349,153.559 183.425,153.559 183.425,153.534 183.45,153.534 183.45,153.508 183.501,153.508 183.501,153.483 183.527,153.483 183.527,153.457 183.552,153.457 183.552,153.432 183.577,153.432 183.577,153.407 183.603,153.407 183.603,153.381 183.603,153.356 183.628,153.356 183.628,153.33 183.628,153.305 183.628,153.28 183.654,153.28 183.654,153.254 183.654,153.229 183.654,153.203 183.654,153.178 183.679,153.178 183.679,153.153 183.679,153.127 183.679,153.102 183.679,153.076 183.654,153.076 183.654,153.051 183.654,153.026 183.654,153 183.654,152.975 183.628,152.975 183.628,152.949 183.628,152.924 183.628,152.899 183.603,152.899 183.603,152.873 183.603,152.848 183.577,152.848 183.577,152.822 183.552,152.822 183.552,152.797 183.527,152.797 183.527,152.772 183.501,152.772 183.501,152.746 183.45,152.746 183.45,152.721 183.4,152.721 183.4,152.695 183.349,152.695 183.349,152.67 183.12,152.67 183.12,152.645 182.917,152.645 182.917,152.67 182.892,152.67 182.892,152.695 182.892,152.721 182.892,152.746 182.892,152.772 182.892,152.797 182.892,152.822 182.892,152.848 182.892,152.873 182.892,152.899 182.892,152.924 182.892,152.949 182.892,152.975 182.892,153 182.892,153.026 182.892,153.051 182.892,153.076 182.892,153.102 182.892,153.127 182.892,153.153 182.892,153.178 182.892,153.203 182.892,153.229 182.892,153.254 182.892,153.28 182.892,153.305 182.892,153.33 182.892,153.356 182.892,153.381 182.892,153.407 182.892,153.432 182.892,153.457 182.892,153.483 182.892,153.508 182.892,153.534 182.892,153.559 182.892,153.584 183.349,153.584
  region net "NetBRUCE SPRINGSTEEN1_10": 310.758,184.021
  region net NetR26_1: 269.114,189.49
  text "REV. 0" at 191.5,148.5 h1.6
  text "REV. 0" at 191.5,148.5 h1.6
Signal Layer 1 (GND):
  text "REV. 0" at 191.5,148.5 h1.6
Signal Layer 2 (PWR):
  text "REV. 0" at 191.5,148.5 h1.6
Bottom Copper:
  region: 273.1,139.125
  region: 293.2,118.2
  region: 857 vertices and 11 holes, not listed, extent 180.25,146.968 191.147,157.813
  region: 183.322,153.542 183.398,153.542 183.398,153.516 183.423,153.516 183.423,153.491 183.474,153.491 183.474,153.465 183.5,153.465 183.5,153.44 183.525,153.44 183.525,153.415 183.55,153.415 183.55,153.389 183.576,153.389 183.576,153.364 183.576,153.338 183.601,153.338 183.601,153.313 183.601,153.288 183.601,153.262 183.627,153.262 183.627,153.237 183.627,153.211 183.627,153.186 183.627,153.161 183.652,153.161 183.652,153.135 183.652,153.11 183.652,153.084 183.652,153.059 183.627,153.059 183.627,153.034 183.627,153.008 183.627,152.983 183.627,152.957 183.601,152.957 183.601,152.932 183.601,152.907 183.601,152.881 183.576,152.881 183.576,152.856 183.576,152.83 183.55,152.83 183.55,152.805 183.525,152.805 183.525,152.78 183.5,152.78 183.5,152.754 183.474,152.754 183.474,152.729 183.423,152.729 183.423,152.703 183.373,152.703 183.373,152.678 183.322,152.678 183.322,152.653 183.093,152.653 183.093,152.627 182.89,152.627 182.89,152.653 182.865,152.653 182.865,152.678 182.865,152.703 182.865,152.729 182.865,152.754 182.865,152.78 182.865,152.805 182.865,152.83 182.865,152.856 182.865,152.881 182.865,152.907 182.865,152.932 182.865,152.957 182.865,152.983 182.865,153.008 182.865,153.034 182.865,153.059 182.865,153.084 182.865,153.11 182.865,153.135 182.865,153.161 182.865,153.186 182.865,153.211 182.865,153.237 182.865,153.262 182.865,153.288 182.865,153.313 182.865,153.338 182.865,153.364 182.865,153.389 182.865,153.415 182.865,153.44 182.865,153.465 182.865,153.491 182.865,153.516 182.865,153.542 182.865,153.567 183.322,153.567
  region: 183.347,152.424 183.423,152.424 183.423,152.399 183.474,152.399 183.474,152.373 183.55,152.373 183.55,152.348 183.576,152.348 183.576,152.322 183.601,152.322 183.601,152.297 183.652,152.297 183.652,152.272 183.677,152.272 183.677,152.246 183.677,152.221 183.703,152.221 183.703,152.195 183.728,152.195 183.728,152.17 183.754,152.17 183.754,152.145 183.754,152.119 183.754,152.094 183.779,152.094 183.779,152.068 183.779,152.043 183.779,152.018 183.779,151.992 183.804,151.992 183.804,151.967 183.804,151.941 183.804,151.916 183.804,151.891 183.804,151.865 183.804,151.84 183.804,151.814 183.804,151.789 183.804,151.764 183.804,151.738 183.779,151.738 183.779,151.713 183.779,151.687 183.779,151.662 183.754,151.662 183.754,151.637 183.754,151.611 183.728,151.611 183.728,151.586 183.728,151.56 183.703,151.56 183.703,151.535 183.677,151.535 183.677,151.51 183.652,151.51 183.652,151.484 183.627,151.484 183.627,151.459 183.601,151.459 183.601,151.433 183.576,151.433 183.576,151.408 183.525,151.408 183.525,151.383 183.474,151.383 183.474,151.357 183.398,151.357 183.398,151.332 183.347,151.332 183.347,151.306 183.22,151.306 183.22,151.281 182.966,151.281 182.966,151.306 182.89,151.306 182.89,151.332 182.865,151.332 182.865,151.357 182.865,151.383 182.865,151.408 182.865,151.433 182.865,151.459 182.865,151.484 182.865,151.51 182.865,151.535 182.865,151.56 182.865,151.586 182.865,151.611 182.865,151.637 182.865,151.662 182.865,151.687 182.865,151.713 182.865,151.738 182.865,151.764 182.865,151.789 182.865,151.814 182.865,151.84 182.865,151.865 182.865,151.891 182.865,151.916 182.865,151.941 182.865,151.967 182.865,151.992 182.865,152.018 182.865,152.043 182.865,152.068 182.865,152.094 182.865,152.119 182.865,152.145 182.865,152.17 182.865,152.195 182.865,152.221 182.865,152.246 182.865,152.272 182.865,152.297 182.865,152.322 182.865,152.348 182.865,152.373 182.865,152.399 182.865,152.424 182.89,152.424 182.89,152.449 183.347,152.449
  region: 187.819,153.572 187.946,153.572 187.946,153.546 188.048,153.546 188.048,153.521 188.099,153.521 188.099,153.495 188.124,153.495 188.124,153.47 188.149,153.47 188.149,153.445 188.175,153.445 188.175,153.419 188.2,153.419 188.2,153.394 188.226,153.394 188.226,153.368 188.226,153.343 188.251,153.343 188.251,153.318 188.251,153.292 188.276,153.292 188.276,153.267 188.276,153.241 188.276,153.216 188.276,153.191 188.302,153.191 188.302,153.165 188.302,153.14 188.302,153.114 188.302,153.089 188.302,153.064 188.302,153.038 188.302,153.013 188.276,153.013 188.276,152.987 188.276,152.962 188.276,152.937 188.251,152.937 188.251,152.911 188.251,152.886 188.226,152.886 188.226,152.86 188.226,152.835 188.2,152.835 188.2,152.81 188.175,152.81 188.175,152.784 188.149,152.784 188.149,152.759 188.124,152.759 188.124,152.733 188.073,152.733 188.073,152.708 188.022,152.708 188.022,152.683 187.972,152.683 187.972,152.657 187.895,152.657 187.895,152.632 187.514,152.632 187.514,152.657 187.514,152.683 187.514,152.708 187.514,152.733 187.514,152.759 187.514,152.784 187.514,152.81 187.514,152.835 187.514,152.86 187.514,152.886 187.514,152.911 187.514,152.937 187.514,152.962 187.514,152.987 187.514,153.013 187.514,153.038 187.514,153.064 187.514,153.089 187.514,153.114 187.514,153.14 187.514,153.165 187.514,153.191 187.514,153.216 187.514,153.241 187.514,153.267 187.514,153.292 187.514,153.318 187.514,153.343 187.514,153.368 187.514,153.394 187.514,153.419 187.514,153.445 187.514,153.47 187.514,153.495 187.514,153.521 187.514,153.546 187.591,153.546 187.591,153.572 187.692,153.572 187.692,153.597 187.819,153.597
  text "REV. 0" at 191.5,148.5 h1.6

## Silkscreen, mask and mechanical layers (free items; w line width, h text height)
Top Overlay:
  drawing of 208 lines, arcs and shapes, not listed
  text "1" at 228,202.6 h2.54
  text "2" at 230.4,202.6 h2.54
  text "3" at 233,202.6 h2.54
  text "4" at 235.6,202.6 h2.54
  text "5" at 238,202.6 h2.54
  text "6" at 240.6,202.6 h2.54
  text "7" at 243.2,202.6 h2.54
  text "8" at 245.7,202.6 h2.54
  text "TRAFFIC" at 278.75,201.5 h2.54
  text "0" at 280.7,198.9 h2 r90
  text "1" at 280.7,196.2 h2 r90
  text "OLED" at 183.5,195 h2.54
  text "0" at 280.7,194 h2 r90
  text "1" at 280.7,191.3 h2 r90
  text "DOWN" at 165.7,187.7 h2.54
  text "UP" at 194.4,187.7 h2.54
  text "CAR" at 282.6,186.525 h2 r90
  text "FREQUENCY GENERATOR" at 212.025,183.675 h2.54
  text "PED" at 282.675,181.45 h2 r90
  text "3.3V" at 250.75,173.75 h2.54
  text "NORTH ST" at 292.9,171.9 h1.6
  text "DICE" at 279.75,163.5 h2.54
  text "D" at 298.175,157.575 h2.54
  text "B" at 303.175,157.575 h2.54
  text "C" at 308.175,157.575 h2.54
  text "DIGITAL ELECTRONICS DESIGN" at 191.5,155.75 h2.54
  text "A" at 279.25,155.25 h2.54
  text "EEE20001" at 191.5,153.5 h2.54
  text "B" at 279.425,152.575 h2.54
  text "A" at 303.175,151.575 h2.54
  text "Jordan Boekel, Ben Gregg, Patrick Curtain" at 191.4,150.65 h1.6
  text "C" at 279.425,150.075 h2.54
  text "REV. 0" at 191.5,148.5 h1.6
  text "D" at 279.5,147.5 h2.54
  text "THE DESERT" at 258.5,146.75 h2.54 r90
  text "C" at 298.175,145.575 h2.54
  text "B" at 303.175,145.575 h2.54
  text "D" at 308.175,145.575 h2.54
  text "STEPPER" at 279.5,135 h2.54
  text "IF YOU CAN READ THIS, PLEASE RETURN THE BREADBOARD /  / PETER DOESN'T WANT TO PAY FOR A NEW ONE!" at 168,128.75 h1.6
  text "A" at 279.425,122.857 h2.54
  text "0V" at 252,121.75 h2.54
  text "B" at 279.6,120.182 h2.54
  text "C" at 279.6,117.682 h2.54
  text "D" at 279.675,115.107 h2.54
  text "1" at 209.2,101.3 h2.54
  text "2" at 214.3,101.3 h2.54
  text "3" at 219.4,101.3 h2.54
  text "4" at 224.5,101.3 h2.54
  text "5" at 229.6,101.3 h2.54
  text "6" at 234.7,101.3 h2.54
  text "7" at 239.8,101.3 h2.54
  text "8" at 244.9,101.3 h2.54
Bottom Overlay:
  text "If found please call (+613) 9214 8319" at 163.7,136.3 h2.54 r270
Drill Drawing:
  region: 286.651,118.8

## Dimensions
162.5,100 to 162.5,205 on Drill Drawing
315,205.25 to 162.5,205 on Drill Drawing
167.5,200 to 163.989,203.511 on Drill Drawing